# Altium PCB Carrier-Board-Apalis.PcbDoc (part 1 of 5)
Units mm, origin at the board's own origin, x right, y up, seen from the top; angles counter-clockwise.
Board outline 97 x 270 mm, 4 copper layers (Top Layer, VCC, GND, Bottom Layer), stack 1.62 mm thick; 326 components, 351 nets, 1611 pads, 935 vias.
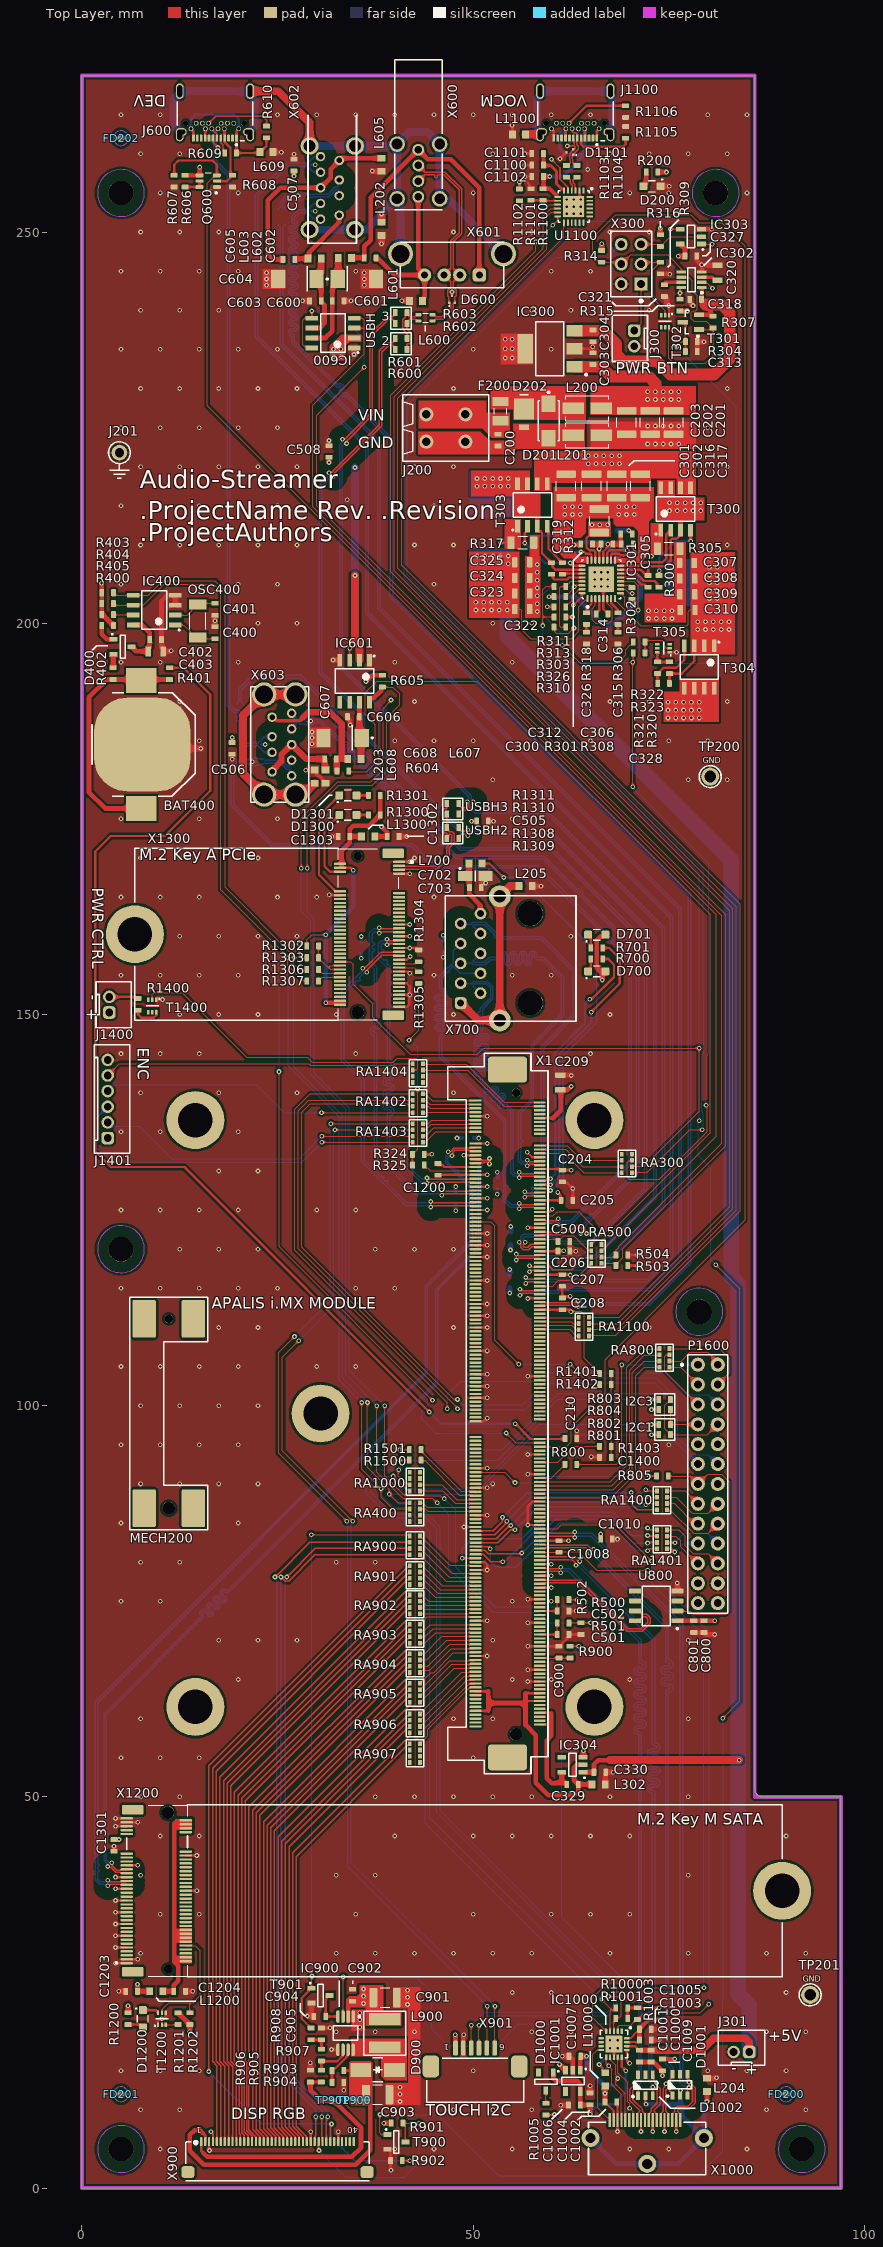
[diagram p0: Top Layer view]
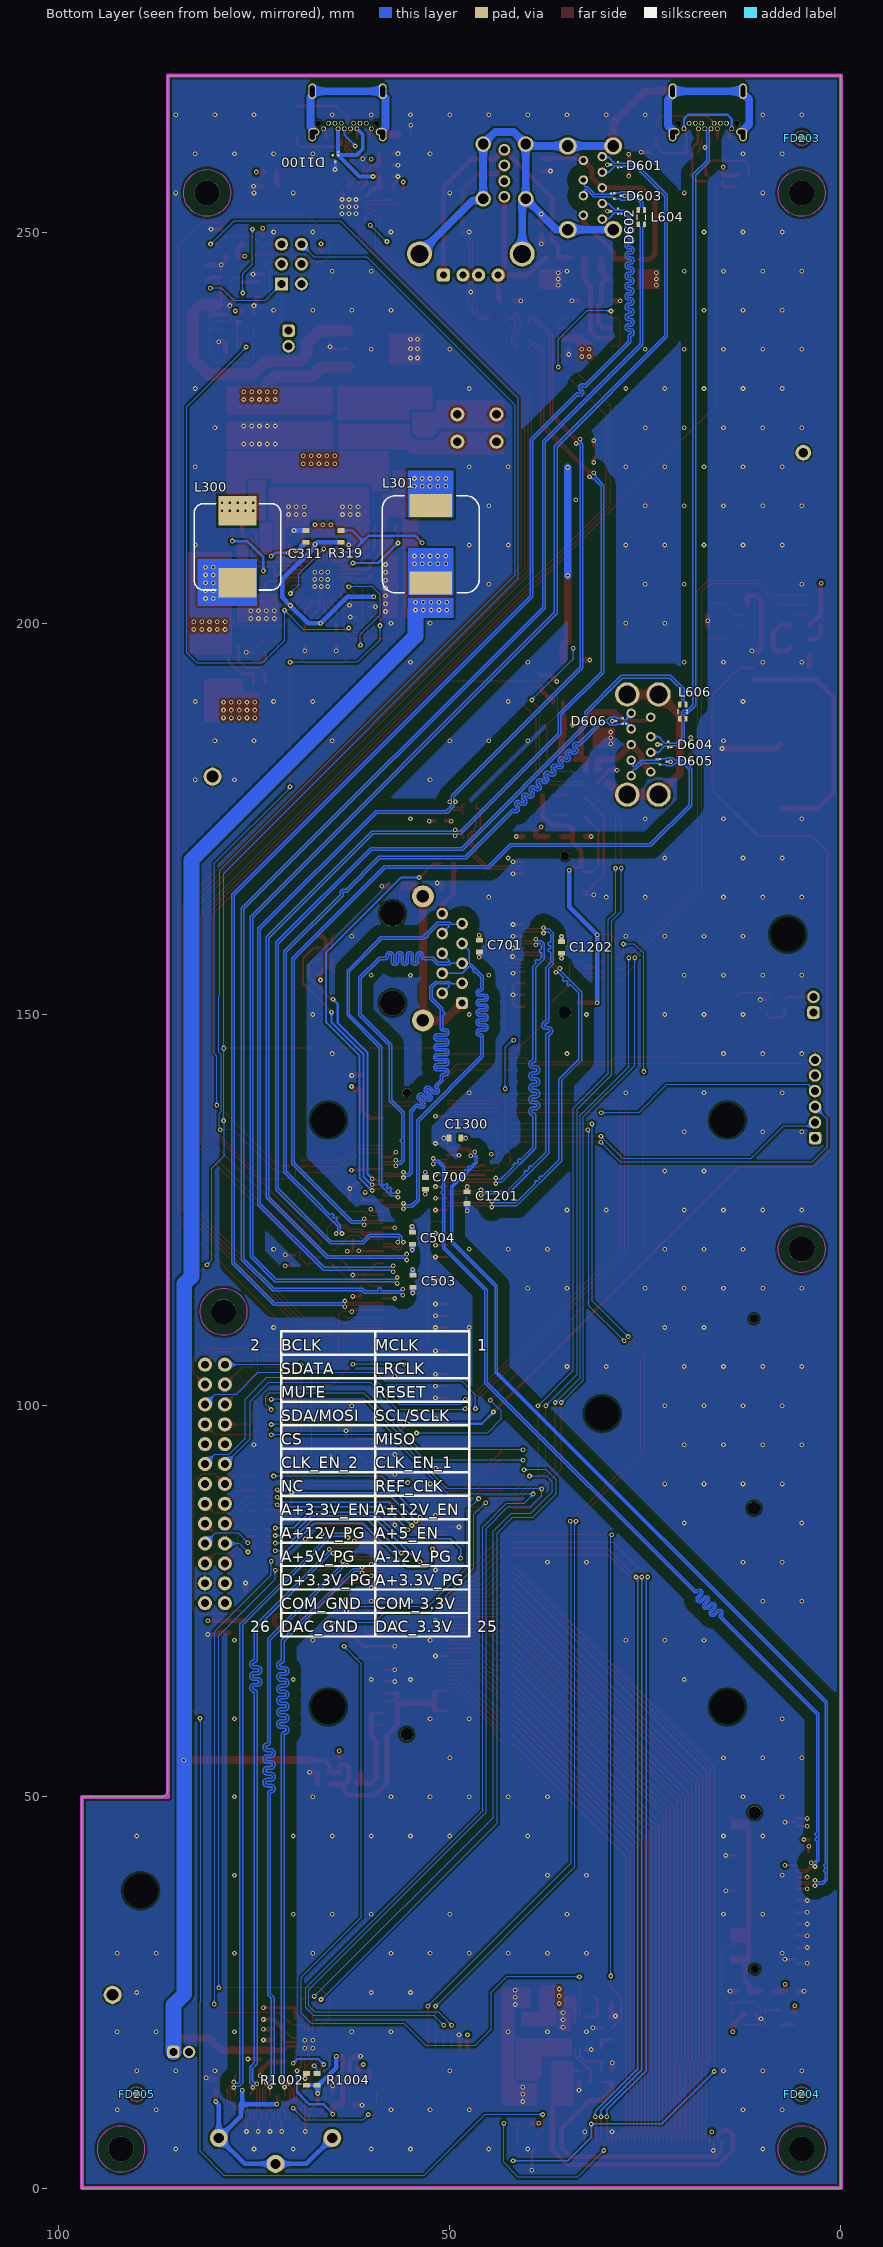
[diagram p1: Bottom Layer view, seen from below]
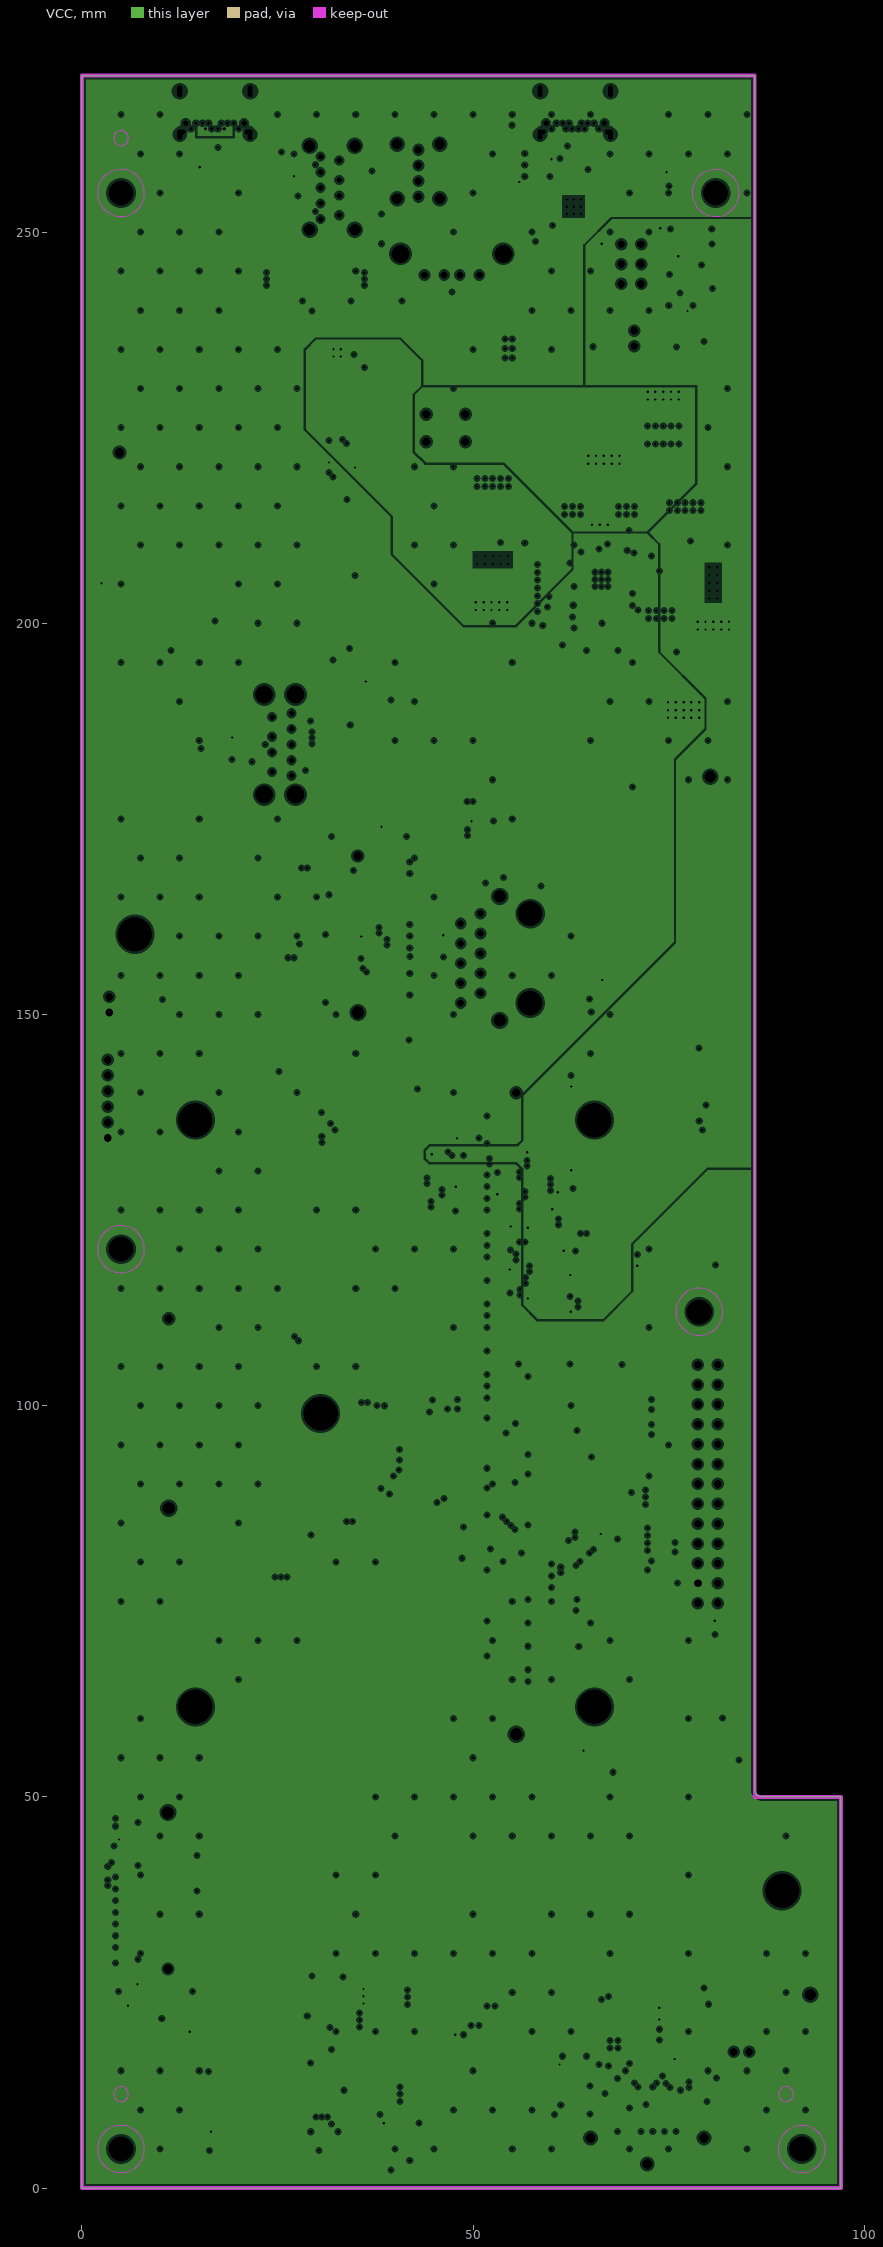
[diagram p2: VCC, clearances drawn from the general rule]
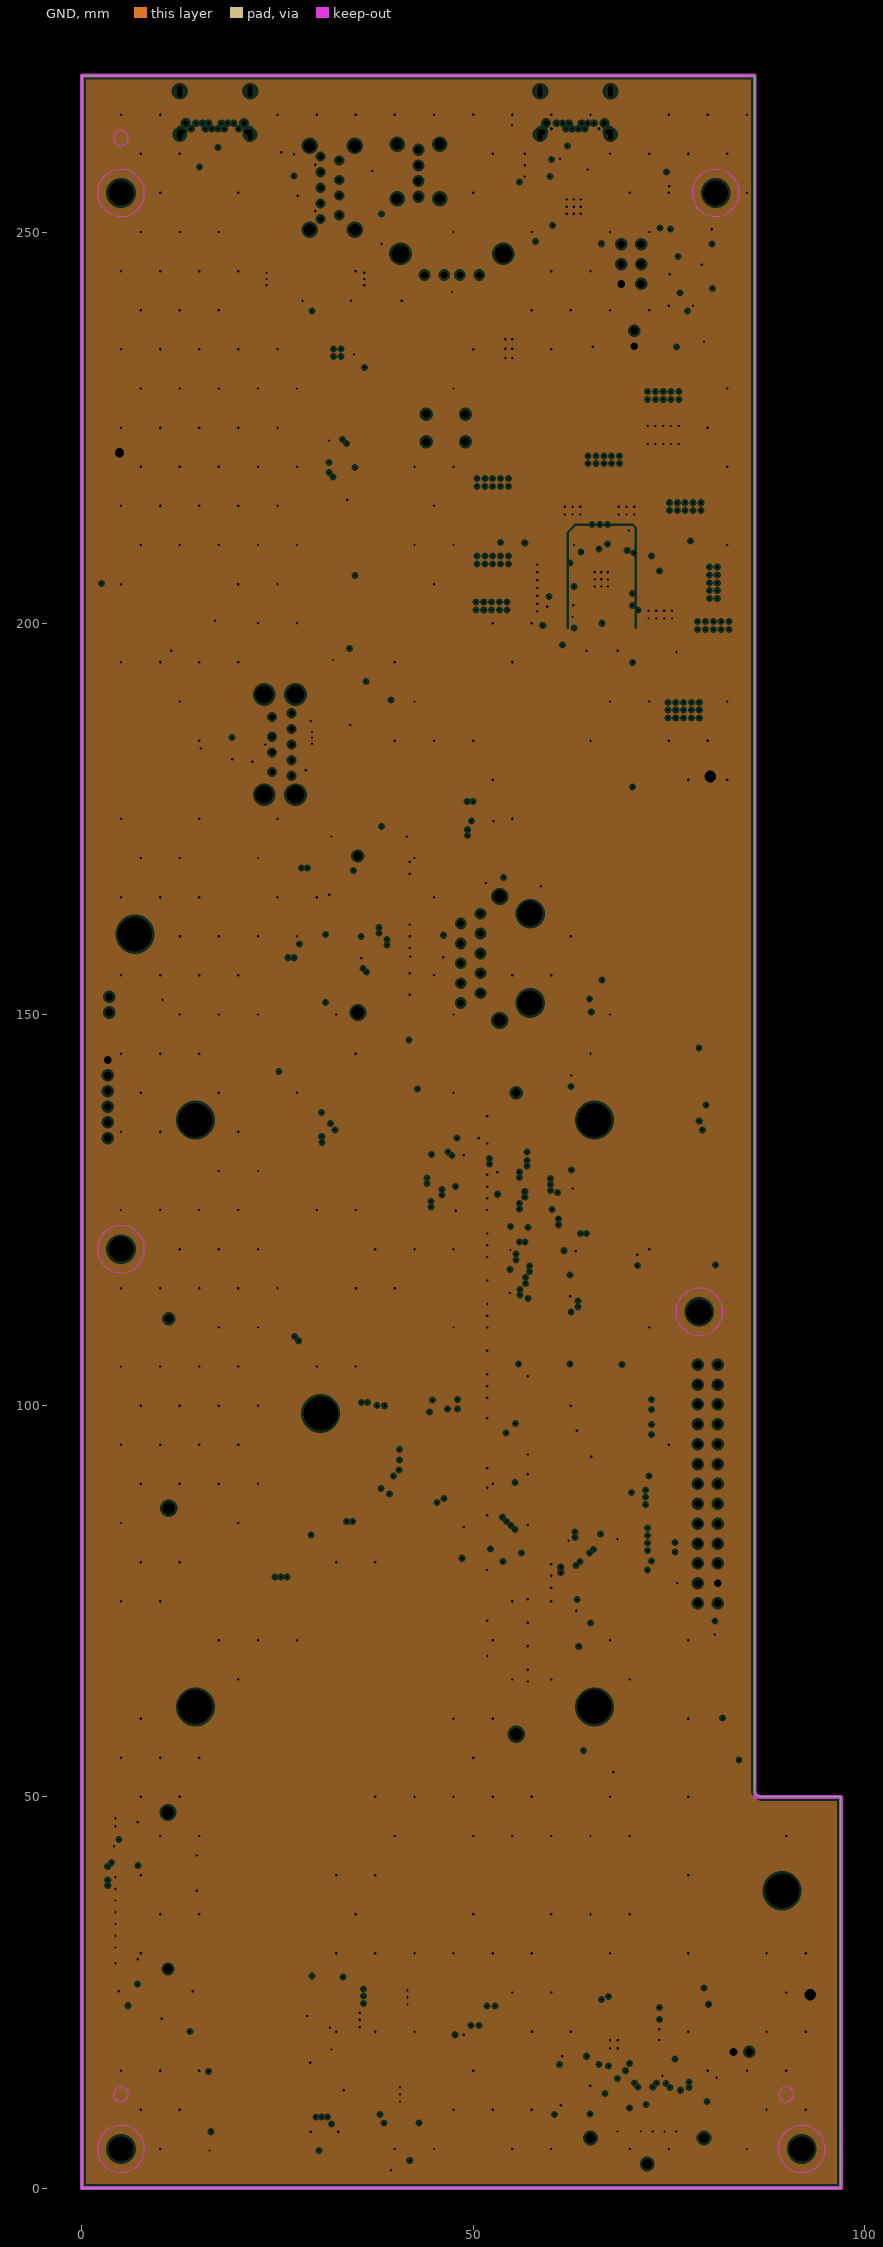
[diagram p3: GND, clearances drawn from the general rule]

## Layer stack, top to bottom
Top Solder: solder mask 0.0102, Solder Resist, Dk 3.5
Top Layer: signal copper 0.035
Dielectric 2: prepreg 0.14, PP-010, Dk 4.3
VCC: plane copper 0.035, net (Multiple Nets)
Dielectric 1: core 1.2, Core-042, Dk 4.6
GND: plane copper 0.035, net GND
Dielectric 3: prepreg 0.14, PP-010, Dk 4.3
Bottom Layer: signal copper 0.035
Bottom Solder: solder mask 0.0102, Solder Resist, Dk 3.5

## Board outline
0,0 0,270 86,270 86,51 ccw(c87,51) 87,50 97,50 97,0

## Design rules (kind name [scope] priority, off if disabled: settings)
Clearance "Clearance Polygon Highspeed" [InPolygon and InNet('GND') vs InNetClass('Ethernet') or InNetClass('HDMI') or InNetClass('LVDS') or InNetClass('PCIe') or InNetClass('SATA') or InNetClass('USBO1_HS') or InNetClass('USBO1_SS') or InNetClass('USBH2_HS') or InNetClass('USBH3_HS') or InNetClass('USBH4_HS') or InNetClass('USBH4_SS')] p1: gap=0.15 ignorepadtopadclearanceinfootprint=FALSE except(0: Arc-Hole Track-Hole SMDPad-Hole THPad-Hole Via-Hole Fill-Hole Poly-Hole Region-Hole Text-Hole; 1.5: Arc-Fill Arc-Poly Arc-Region Track-Fill Track-Poly Track-Region SMDPad-Fill SMDPad-Poly SMDPad-Region THPad-Fill THPad-Poly THPad-Region Via-Fill Via-Poly Via-Region Fill-Fill Fill-Poly Fill-Region Poly-Poly Poly-Region Region-Region)
Clearance "Analog Polygon" [InNet('AGND') and InPolygon] p2: gap=0.15 ignorepadtopadclearanceinfootprint=FALSE except(0: Arc-Hole Track-Hole SMDPad-Hole THPad-Hole Via-Hole Fill-Hole Poly-Hole Region-Hole Text-Hole; 0.3: Arc-Fill Arc-Poly Arc-Region Track-Fill Track-Poly Track-Region SMDPad-Fill SMDPad-Poly SMDPad-Region THPad-Fill THPad-Poly THPad-Region Via-Fill Via-Poly Via-Region Fill-Fill Fill-Poly Fill-Region Poly-Poly Poly-Region Region-Region)
Clearance "Digital Polygon" [InNet('GND') and InPolygon] p3: gap=0.15 ignorepadtopadclearanceinfootprint=FALSE except(0: Arc-Hole Track-Hole SMDPad-Hole THPad-Hole Via-Hole Fill-Hole Poly-Hole Region-Hole Text-Hole; 0.3: Arc-Fill Arc-Poly Arc-Region Track-Fill Track-Poly Track-Region SMDPad-Fill SMDPad-Poly SMDPad-Region THPad-Fill THPad-Poly THPad-Region Via-Fill Via-Poly Via-Region Fill-Fill Fill-Poly Fill-Region Poly-Poly Poly-Region Region-Region)
Clearance "Diff Pairs" [InNetClass('Ethernet') or InNetClass('SATA') or InNetClass('HDMI') or InNetClass('PCIe') or InNetClass('LVDS')] p4: gap=0.1 ignorepadtopadclearanceinfootprint=FALSE except(1: Arc-Fill Arc-Poly Arc-Region Track-Fill Track-Poly Track-Region SMDPad-Fill SMDPad-Poly SMDPad-Region THPad-Fill THPad-Poly THPad-Region Via-Fill Via-Poly Via-Region Fill-Fill Fill-Poly Fill-Region Poly-Poly Poly-Region Region-Region)
Clearance [All] p5: gap=0.15 ignorepadtopadclearanceinfootprint=FALSE except(0: Arc-Hole Track-Hole SMDPad-Hole THPad-Hole Via-Hole Fill-Hole Poly-Hole Region-Hole Text-Hole)
ComponentClearance [All] p1: gap=0.2 collisioncheckmode=3 verticalgap=0.2 showdistances=FALSE
DiffPairsRouting Diff_Ethernet [InNetClass('Ethernet')] p1: maxlimit=2 minlimit=0.135 mostfreqgap=0.135 toplayer_minwidth=0.165 toplayer_maxwidth=0.165 toplayer_prefwidth=0.165 bottomlayer_minwidth=0.165 bottomlayer_maxwidth=0.165 bottomlayer_prefwidth=0.165 impedanceprofiledriven=TRUE impedanceprofileid={0758E92C-ECA7-4BD1-944C-2B5039B24D7F} impedanceprofilevalue=95.000000 maxuncoupledlength=12.7
DiffPairsRouting Diff_PCIe [InNetClass('PCIe')] p2: maxlimit=2 minlimit=0.16 mostfreqgap=0.16 toplayer_minwidth=0.198 toplayer_maxwidth=0.198 toplayer_prefwidth=0.198 bottomlayer_minwidth=0.198 bottomlayer_maxwidth=0.198 bottomlayer_prefwidth=0.198 impedanceprofiledriven=TRUE impedanceprofileid={872D3C10-AE81-4B26-BAE9-CD09B3029D58} impedanceprofilevalue=90.000000 maxuncoupledlength=12.7
DiffPairsRouting Diff_HDMI [InNetClass('HDMI')] p3: maxlimit=2 minlimit=0.16 mostfreqgap=0.16 toplayer_minwidth=0.198 toplayer_maxwidth=0.198 toplayer_prefwidth=0.198 bottomlayer_minwidth=0.198 bottomlayer_maxwidth=0.198 bottomlayer_prefwidth=0.198 impedanceprofiledriven=TRUE impedanceprofileid={872D3C10-AE81-4B26-BAE9-CD09B3029D58} impedanceprofilevalue=90.000000 maxuncoupledlength=12.7
DiffPairsRouting Diff_SATA [InNetClass('SATA')] p4: maxlimit=2 minlimit=0.105 mostfreqgap=0.105 toplayer_minwidth=0.165 toplayer_maxwidth=0.165 toplayer_prefwidth=0.165 bottomlayer_minwidth=0.165 bottomlayer_maxwidth=0.165 bottomlayer_prefwidth=0.165 impedanceprofiledriven=TRUE impedanceprofileid={3923B0F9-8FB3-4A4E-B013-C19AAABC556E} impedanceprofilevalue=90.000000 maxuncoupledlength=12.7
DiffPairsRouting Diff_LVDS [InNetClass('LVDS')] p5: maxlimit=2 minlimit=0.17 mostfreqgap=0.17 toplayer_minwidth=0.165 toplayer_maxwidth=0.165 toplayer_prefwidth=0.165 bottomlayer_minwidth=0.165 bottomlayer_maxwidth=0.165 bottomlayer_prefwidth=0.165 impedanceprofiledriven=TRUE impedanceprofileid={7474D7DC-58A7-4FA6-A522-E63227D1F5B1} impedanceprofilevalue=100.000000 maxuncoupledlength=12.7
DiffPairsRouting DiffPairsRouting_USB [All] p6: maxlimit=2 minlimit=0.16 mostfreqgap=0.16 toplayer_minwidth=0.1 toplayer_maxwidth=0.198 toplayer_prefwidth=0.198 bottomlayer_minwidth=0.1 bottomlayer_maxwidth=0.198 bottomlayer_prefwidth=0.198 impedanceprofiledriven=TRUE impedanceprofileid={872D3C10-AE81-4B26-BAE9-CD09B3029D58} impedanceprofilevalue=90.000000 maxuncoupledlength=12.7
FabricationTestPointUsage FabricationTestPointUsage_1 [All] p1: valid=0 allowmultiple=FALSE
FabricationTestpoint FabricationTestpoint_1 [All] p1: side=3 testpointundercomponent=TRUE minsize=1.016 maxsize=2.54 preferedsize=1.524 minholesize=0 maxholesize=1.016 preferedholesize=0.813 testpointgrid=0.025 allowsidetop=TRUE allowsidebottom=TRUE usegrid=TRUE gridtolerance=0
Height [All] p1: minheight=0 maxheight=100 prefheight=0.254
HoleSize [All] p1: absolutevalues=TRUE maxlimit=6 minlimit=0.2 maxpercent=80.000 minpercent=20.000
HoleSize FabricationTestpoint [All] p2 off: absolutevalues=TRUE maxlimit=2.54 minlimit=0.025 maxpercent=80.000 minpercent=20.000
HoleSize FabricationTestPointUsage [All] p3 off: absolutevalues=TRUE maxlimit=2.54 minlimit=0.025 maxpercent=80.000 minpercent=20.000
MatchedLengths Match_PCIe [InNetClass('PCIe')] p1: tolerance=2 checknetsindiffpair=FALSE checkdiffpairvsdiffpair=TRUE checkxsignals=TRUE checkothers=TRUE
MatchedLengths Match_PCIe_Intra [InNetClass('PCIe')] p2: tolerance=0.15 checknetsindiffpair=TRUE checkdiffpairvsdiffpair=FALSE checkxsignals=FALSE checkothers=FALSE
MatchedLengths Match_SATA [InNetClass('SATA')] p3: tolerance=2 checknetsindiffpair=FALSE checkdiffpairvsdiffpair=TRUE checkxsignals=TRUE checkothers=TRUE
MatchedLengths Match_SATA_Intra [InNetClass('SATA')] p4: tolerance=0.15 checknetsindiffpair=TRUE checkdiffpairvsdiffpair=FALSE checkxsignals=FALSE checkothers=FALSE
MatchedLengths Match_Ethernet [InNetClass('Ethernet')] p5: tolerance=2 checknetsindiffpair=FALSE checkdiffpairvsdiffpair=TRUE checkxsignals=TRUE checkothers=TRUE
MatchedLengths Match_Ethernet_Intra [InNetClass('SATA')] p6: tolerance=0.25 checknetsindiffpair=TRUE checkdiffpairvsdiffpair=FALSE checkxsignals=FALSE checkothers=FALSE
MatchedLengths Match_HDMI [InNetClass('HDMI')] p7: tolerance=2 checknetsindiffpair=FALSE checkdiffpairvsdiffpair=TRUE checkxsignals=TRUE checkothers=TRUE
MatchedLengths Match_HDMI_Intra [InNetClass('HDMI')] p8: tolerance=0.75 checknetsindiffpair=TRUE checkdiffpairvsdiffpair=FALSE checkxsignals=FALSE checkothers=FALSE
MatchedLengths Match_LVDS_Intra [InNetClass('LVDS')] p9: tolerance=0.15 checknetsindiffpair=FALSE checkdiffpairvsdiffpair=TRUE checkxsignals=TRUE checkothers=TRUE
MatchedLengths Match_USBO1_SS [InNetClass('USBO1_SS')] p10: tolerance=2 checknetsindiffpair=FALSE checkdiffpairvsdiffpair=TRUE checkxsignals=TRUE checkothers=TRUE
MatchedLengths Match_USBH4_SS [InNetClass('USBH4_SS')] p11: tolerance=2 checknetsindiffpair=FALSE checkdiffpairvsdiffpair=TRUE checkxsignals=TRUE checkothers=TRUE
MatchedLengths Match_USB_SS_Intra [InNetClass('USBO1_SS') or InNetClass('USBH4_SS')] p12: tolerance=0.15 checknetsindiffpair=TRUE checkdiffpairvsdiffpair=FALSE checkxsignals=FALSE checkothers=FALSE
MatchedLengths Match_USB_HS_Intra [InNetClass('USBO1_HS') or InNetClass('USBH2_HS') or InNetClass('USBH3_HS') or InNetClass('USBH4_HS')] p13: tolerance=1.1 checknetsindiffpair=TRUE checkdiffpairvsdiffpair=FALSE checkxsignals=FALSE checkothers=FALSE
MinimumAnnularRing [All] p1: minimumring=0.1
MinimumSolderMaskSliver [All] p1: minsoldermaskwidth=0.1
PlaneClearance [All] p1: clearance=0.3
PlaneConnect [All] p1: planeconnectstyle=Direct reliefexpansion=0.4 reliefentries=4 reliefconductorwidth=0.15 reliefairgap=0.15
PolygonConnect [All] p1: thpad.connectstyle=Relief thpad.reliefconductorwidth=0.3 thpad.reliefentries=4 thpad.polygonreliefangle="90 Angle" thpad.airgapwidth=0.2 smdpad.connectstyle=Direct smdpad.reliefconductorwidth=0.15 smdpad.reliefentries=4 smdpad.polygonreliefangle="90 Angle" smdpad.airgapwidth=0.254 via.connectstyle=Direct via.reliefconductorwidth=0.15 via.reliefentries=4 via.polygonreliefangle="90 Angle" via.airgapwidth=0.254
RoutingCorners [All] p1: cornerstyle=45-Degree minsetback=1.25 maxsetback=1.25
RoutingVias [All] p1: holewidth=0.3 width=0.6 viastyle="Through Hole" minholewidth=0.2 minwidth=0.45 maxholewidth=0.45 maxwidth=0.75
SilkToSilkClearance [All] p1: silktosilkclearance=0.1
SilkToSolderMaskClearance [IsPad] p1: minsilkscreentomaskgap=0.1 clearancetoexposedcopper=TRUE
SolderMaskExpansion [All] p1: expansion=0.075
Width [All] p1: maxlimit=10 minlimit=0.125 preferedwidth=0.15
18 further rules are at their usual default settings.

## Classes and differential pairs
component class "DAC Interface": P1600
net class USBO1_SS: USBO1_SSRX_N USBO1_SSRX_P USBO1_SSTX_N USBO1_SSTX_P
net class USBO1_HS: USBO1_D_CON_N USBO1_D_CON_P USBO1_D_N USBO1_D_P
net class USBH_D_HS: USBH_D_CON_N USBH_D_CON_P USBH_D_FILT_N USBH_D_FILT_P
net class USBH4_SS: USBH4_SSRX_N USBH4_SSRX_P USBH4_SSTX_N USBH4_SSTX_P
net class USBH4_HS: USBH4_D_CON_N USBH4_D_CON_P USBH4_D_N USBH4_D_P
net class USBH3_HS: USBH3_D_N USBH3_D_P
net class USBH2_HS: USBH2_D_N USBH2_D_P
net class HDMI: HDMI1_TXC_N HDMI1_TXC_P HDMI1_TXD0_N HDMI1_TXD0_P HDMI1_TXD1_N HDMI1_TXD1_P HDMI1_TXD2_N HDMI1_TXD2_P
net class SATA: SATA1_RX_N SATA1_RX_P SATA1_TX_N SATA1_TX_P
net class PCIe: PCIE1_CLK_N PCIE1_CLK_P PCIE1_RX_N PCIE1_RX_P PCIE1_TX_N PCIE1_TX_P
net class LVDS: MCLK_N MCLK_P
net class Ethernet: ETH1_MDI0_N ETH1_MDI0_P ETH1_MDI1_N ETH1_MDI1_P ETH1_MDI2_N ETH1_MDI2_P ETH1_MDI3_N ETH1_MDI3_P
component class Miscellaneous: R1500 R1501
component class Audio: C800 C801 R800 R801 R802 R803 R804 R805 RA800 U800
net class DDC[0..1]: DDC0 DDC1
component class HDMI: C1000 C1001 C1002 C1003 C1004 C1005 C1006 C1007 C1008 C1009 C1010 D1000 D1001 D1002 IC1000 IC1001 L1000 R1000 R1001 R1002 R1003 R1004 R1005 RA1000 X1000
net class UART[0..16]: UART0 UART1 UART2 UART3 UART4 UART5 UART6 UART7 UART8 UART9 UART10 UART11 UART12 UART13 UART14 UART15 UART16
component class USB: C500 C501 C502 C503 C504 C505 C506 C507 C508 R500 R501 R502 R503 R504 RA500
component class USB_Connectors: C600 C601 C602 C603 C604 C605 C606 C607 C608 D600 D601 D602 D603 D604 D605 D606 IC600 IC601 J600 L600 L601 L602 L603 L604 L605 L606 L607 L608 L609 Q600 R600 R601 R602 R603 R604 R605 R606 R607 R608 R609 R610 X600 X601 X602 X603
component class Serial: C1100 C1101 C1102 D1100 D1101 J1100 L1100 R1100 R1101 R1102 R1103 R1104 R1105 R1106 RA1100 U1100
component class Sata: C1200 C1201 C1202 C1203 C1204 D1200 L1200 R1200 R1201 R1202 T1200 X1200
component class RTC: BAT400 C400 C401 C402 C403 D400 IC400 OSC400 R400 R401 R402 R403 R404 R405 RA400
component class RGB_Display: C900 C901 C902 C903 C904 C905 D900 IC900 L900 R900 R901 R902 R903 R904 R905 R906 R907 R908 RA900 RA901 RA902 RA903 RA904 RA905 RA906 RA907 T900 T901 TP900 TP901 X900 X901
component class Power_Switch: C300 C301 C302 C303 C304 C305 C306 C307 C308 C309 C310 C311 C312 C313 C314 C315 C316 C317 C318 C319 C320 C321 C322 C323 C324 C325 C326 C327 C328 C329 C330 IC300 IC301 IC302 IC303 IC304 J300 J301 L300 L301 L302 R300 R301 R302 R303 R304 R305 R306 R307 R308 R309 R310 R311 R312 R313 R314 R315 R316 R317 R318 R319 R320 R321 R322 R323 R324 R325 R326 RA300 T300 T301 T302 T303 T304 T305 X300
component class Power_Supply: C200 C201 C202 C203 C204 C205 C206 C207 C208 C209 C210 D200 D201 D202 F200 FD200 FD201 FD202 FD203 FD204 FD205 J200 J201 JMP2 JMP3 L200 L201 L202 L203 L204 L205 MECH3 MECH4 MECH5 MECH6 MECH7 MECH8 MECH20 MECH21 MECH200 PCB1 R200 TP200 TP201 X1
component class PCI_Express: C1300 C1301 C1302 C1303 D1300 D1301 L1300 R1300 R1301 R1302 R1303 R1304 R1305 R1306 R1307 R1308 R1309 R1310 R1311 X1300
component class Extension: C1400 J1400 J1401 R1400 R1401 R1402 R1403 RA1400 RA1401 RA1402 RA1403 RA1404 T1400
component class Ethernet: C700 C701 C702 C703 D700 D701 L700 R700 R701 X700
differential pair MCLK: +MCLK_P -MCLK_N
differential pair VCOM: +VCOM_P -VCOM_N
differential pair VCOM_CON: +VCOM_CON_P -VCOM_CON_N
differential pair HDMI1_TXD2: +HDMI1_TXD2_P -HDMI1_TXD2_N
differential pair HDMI1_TXD1: +HDMI1_TXD1_P -HDMI1_TXD1_N
differential pair HDMI1_TXD0: +HDMI1_TXD0_P -HDMI1_TXD0_N
differential pair HDMI1_TXC: +HDMI1_TXC_P -HDMI1_TXC_N
differential pair USBO1_SSTX: +USBO1_SSTX_P -USBO1_SSTX_N
differential pair USBO1_SSRX: +USBO1_SSRX_P -USBO1_SSRX_N
differential pair USBO1_D: +USBO1_D_P -USBO1_D_N
differential pair USBO1_D_CON: +USBO1_D_CON_P -USBO1_D_CON_N
differential pair USBH_PCIE: +USBH_PCIE_P -USBH_PCIE_N
differential pair USBH_D_FILT: +USBH_D_FILT_P -USBH_D_FILT_N
differential pair USBH_D_CON: +USBH_D_CON_P -USBH_D_CON_N
differential pair USBH4_SSTX: +USBH4_SSTX_P -USBH4_SSTX_N
differential pair USBH4_SSRX: +USBH4_SSRX_P -USBH4_SSRX_N
differential pair USBH4_D: +USBH4_D_P -USBH4_D_N
differential pair USBH4_D_CON: +USBH4_D_CON_P -USBH4_D_CON_N
differential pair USBH3_D: +USBH3_D_P -USBH3_D_N
differential pair USBH2_D: +USBH2_D_P -USBH2_D_N
differential pair SATA1_TX: +SATA1_TX_P -SATA1_TX_N
differential pair SATA1_RX: +SATA1_RX_P -SATA1_RX_N
differential pair PCIE1_TX: +PCIE1_TX_P -PCIE1_TX_N
differential pair PCIE1_RX: +PCIE1_RX_P -PCIE1_RX_N
differential pair PCIE1_CLK: +PCIE1_CLK_P -PCIE1_CLK_N
differential pair ETH1_MDI3: +ETH1_MDI3_P -ETH1_MDI3_N
differential pair ETH1_MDI2: +ETH1_MDI2_P -ETH1_MDI2_N
differential pair ETH1_MDI1: +ETH1_MDI1_P -ETH1_MDI1_N
differential pair ETH1_MDI0: +ETH1_MDI0_P -ETH1_MDI0_N
